# Altium PCB 驱动板.PcbDoc
Units mil, origin at the board's own origin, x right, y up, seen from the top; angles counter-clockwise.
Board outline 2845 x 1430 mil, 2 copper layers (Top Layer, Bottom Layer); 33 components, 32 nets, 104 pads, 140 vias.
Unrouted connection lines stored in the file: 4.
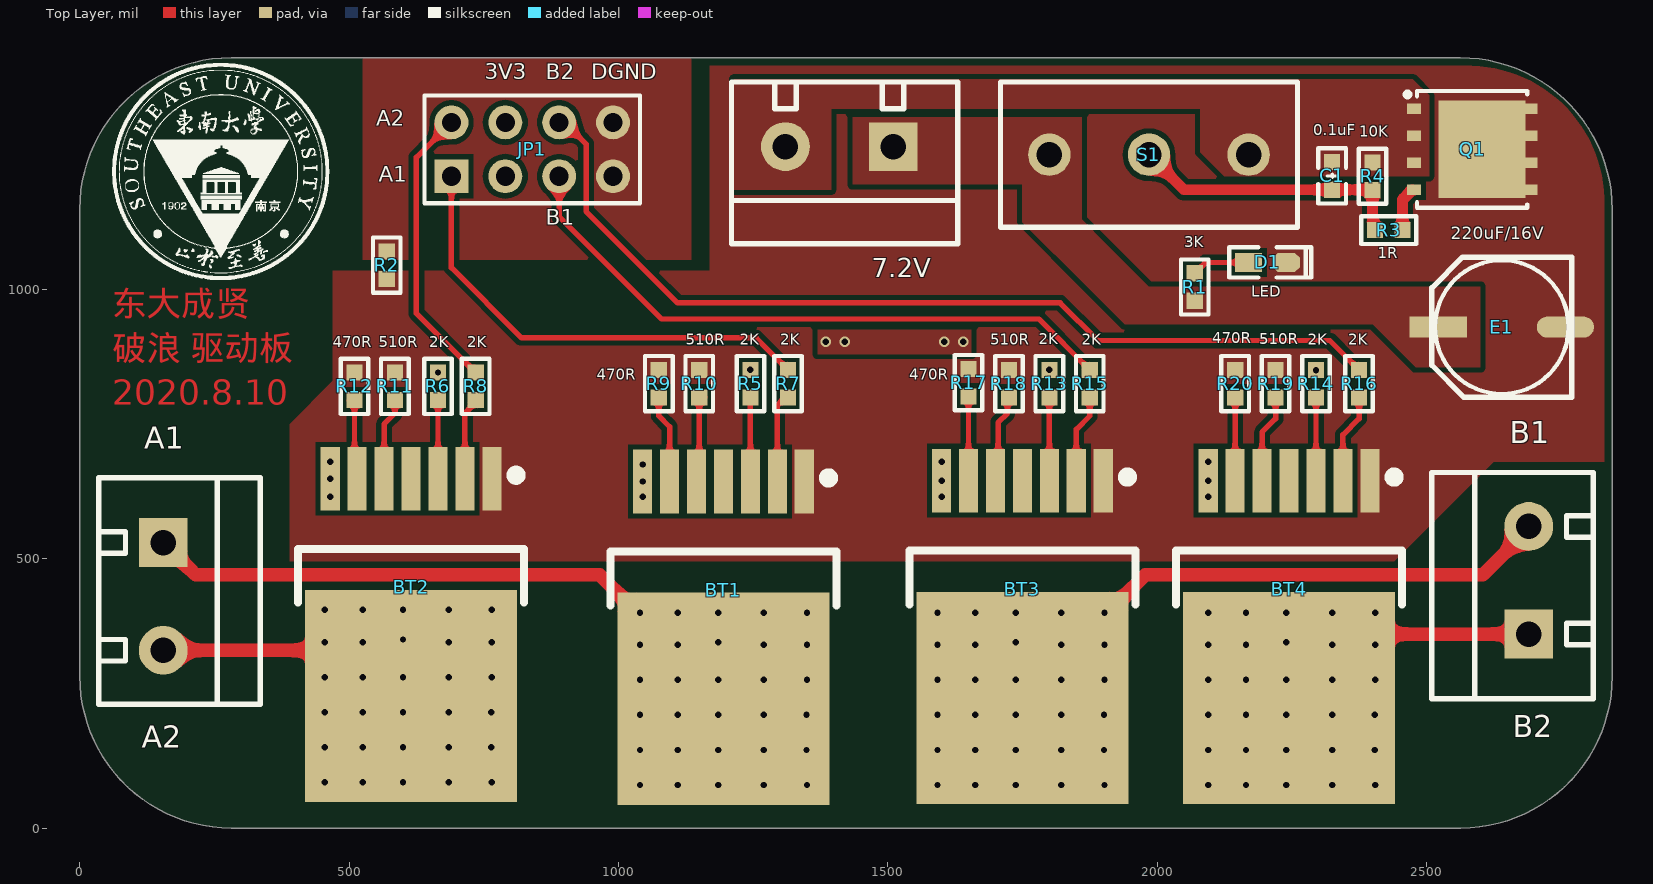
[diagram p0: Top Layer view]
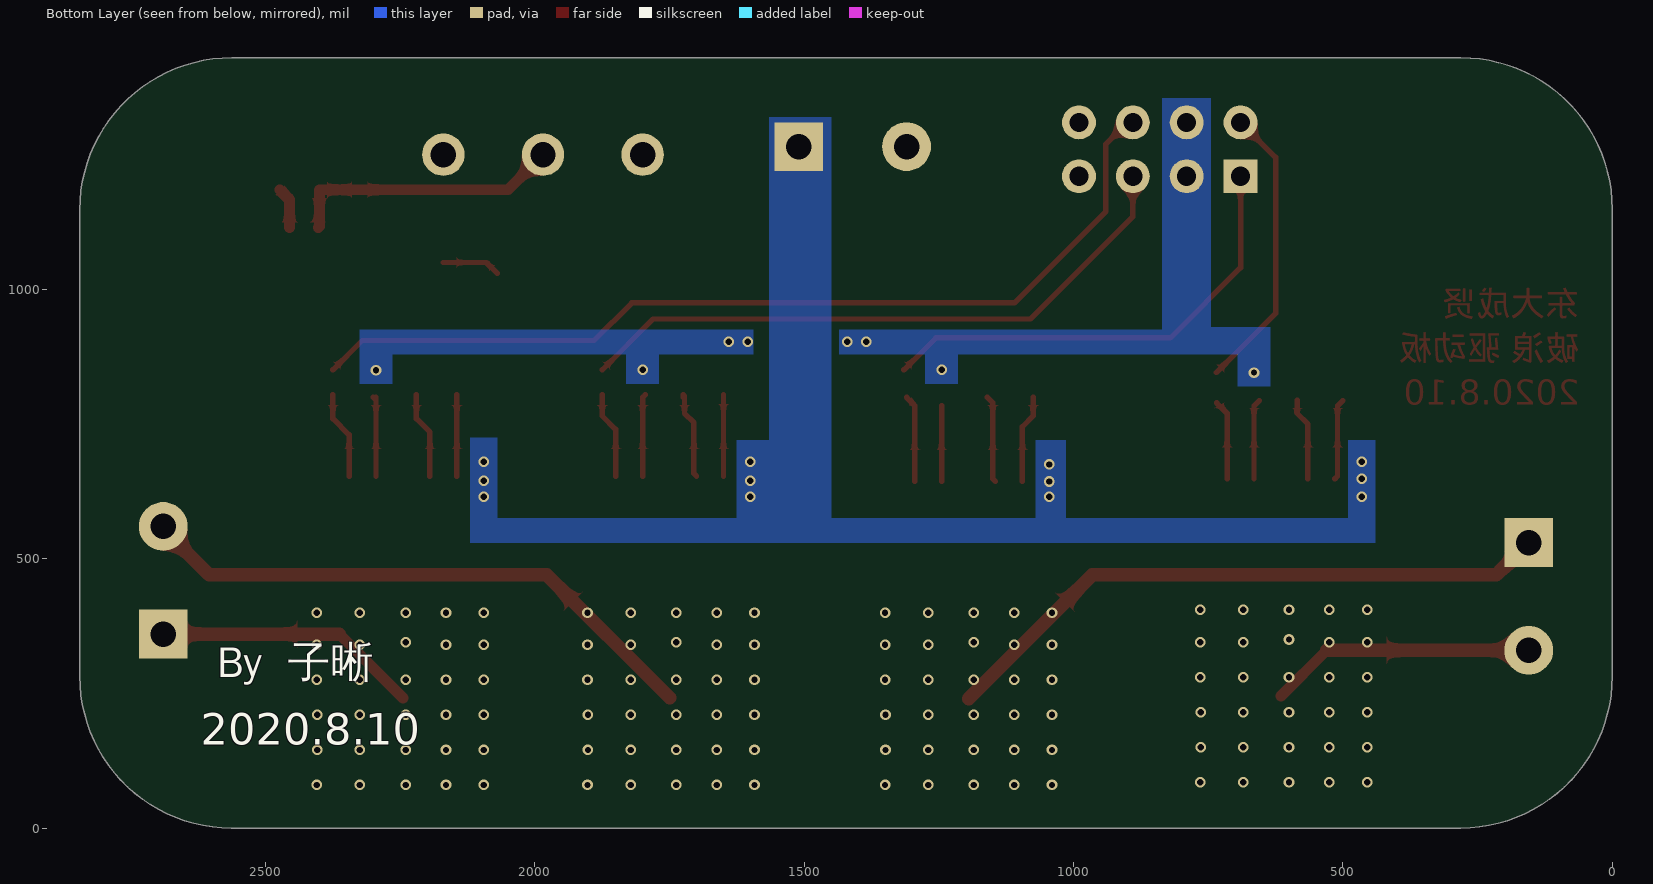
[diagram p1: Bottom Layer view, seen from below]

## Layer stack, top to bottom
Top Solder: solder mask 0.4, Solder Resist, Dk 3.5
Top Layer: signal copper 1.4
Dielectric 1: dielectric 12.6, FR-4, Dk 4.8
Bottom Layer: signal copper 1.4
Bottom Solder: solder mask 0.4, Solder Resist, Dk 3.5

## Board outline
0,281.62 0,1149.17 cw(c280.83,1149.17) 280.83,1430 2562.53,1430 cw(c2562.53,1147.53) 2845,1147.53 2845,281.62 cw(c2563.38,281.62) 2563.38,0 281.62,0 cw(c281.62,281.62)

## Design rules (kind name [scope] priority, off if disabled: settings)
Clearance [All] p1: gap=10 ignorepadtopadclearanceinfootprint=FALSE except(0: Arc-Hole Track-Hole SMDPad-Hole THPad-Hole Via-Hole Fill-Hole Poly-Hole Region-Hole Text-Hole)
PlaneConnect [All] p1: planeconnectstyle=Direct reliefexpansion=20 reliefentries=4 reliefconductorwidth=10 reliefairgap=10
PolygonConnect [All] p1: connectstyle=Direct reliefconductorwidth=10 reliefentries=4 polygonreliefangle="90 Angle" airgapwidth=10
RoutingVias [All] p1: holewidth=13.78 width=19.68 viastyle="Through Hole" minholewidth=9.84 minwidth=11.81 maxholewidth=17.72 maxwidth=15.75
SilkToSilkClearance [All] p1: silktosilkclearance=0
SilkToSolderMaskClearance [IsPad] p1: minsilkscreentomaskgap=0 clearancetoexposedcopper=TRUE
SolderMaskExpansion [All] p1: expansion=4
Width [All] p1: maxlimit=25 minlimit=8 preferedwidth=10
27 further rules are at their usual default settings.

## Classes and differential pairs
component class 驱动开关: 7.2V BT1 BT2 BT3 BT4 C1 D1 E1 JP1 Q1 R1 R2 R3 R4 R5 R6 R7 R8 R9 R10 R11 R12 R13 R14 R15 R16 R17 R18 R19 R20 S1

## Components (designator, comment, footprint, x,y, rotation, side; value= is the part's Value field where it differs from the comment)
7.2V "HDR-1X2" KF301-5.0-2P 1310.04,1265 r180 top (schematic designator 12V)
BT1 "BT7971" TO263-7A 1195,230 r180 top
BT2 "BT7971" TO263-7A 615,235 r180 top
BT3 "BT7971" TO263-7A 1750,231.61 r180 top
BT4 "BT7971" TO263-7A 2245,231.61 r180 top
C1 "0.1uF" "C 0603_L" 2325,1210.59 r270 top
D1 "LED" "LED 0603B" 2205,1049.74 r0 top
E1 "220uF/16V" "CM D(6.3*7.7)" 2640,930 r180 top
JP1 "Header 4X2" HDR2.54-LI-2x4P 840,1260 r0 top
Motor_A "HDR-1X2" KF301-5.0-2P 155,330 r270 top
Motor_B "HDR-1X2" KF301-5.0-2P 2690,560 r90 top
Q1 "AON6242" AON6242 2585.04,1260 r0 top
R1 "3K" "R 0603_L" 2070,1004.41 r270 top
R2 "0R" "R 0603_L" 570,1045 r90 top
R3 "1R" "R 0603_L" 2430,1110 r0 top
R4 "10K" "R 0603_L" 2400,1210 r270 top
R5 "2K" "R 0603_L" 1245,825 r270 top
R6 "2K" "R 0603_L" 665,820 r270 top
R7 "2K" "R 0603_L" 1315,825 r270 top
R8 "2K" "R 0603_L" 735,820 r270 top
R9 "470R" "R 0603_L" 1075,825 r270 top
R10 "510R" "R 0603_L" 1150,825 r270 top
R11 "510R" "R 0603_L" 585,820 r90 top
R12 "470R" "R 0603_L" 510,820 r90 top
R13 "2K" "R 0603_L" 1800,825 r270 top
R14 "2K" "R 0603_L" 2295,825 r270 top
R15 "2K" "R 0603_L" 1875,825 r270 top
R16 "2K" "R 0603_L" 2375,825 r270 top
R17 "470R" "R 0603_L" 1650,826.91 r270 top
R18 "510R" "R 0603_L" 1725,825 r270 top
R19 "510R" "R 0603_L" 2220,825 r90 top
R20 "470R" "R 0603_L" 2145,825 r90 top
S1 "SS12D10" SS-12D10 1985,1250 r180 top

## Footprints (in the part's own frame and the unit in brackets; to place one, negate y for a bottom-side part, rotate by r counter-clockwise, add the part's x,y. Pads: shape width x height; smd on the part's side, far side on the other; paste and mask are expansions set on the pad)
AON6242 [mm]
  rect 0.65x0.5 smd: 1(-2.75,-1.905) 3(-2.75,-0.635) 3(-2.75,0.635) 3(-2.75,1.905)
  rect 4.12x4.6 smd: 2(0.46,0)
  rect 0.55x0.5 smd: 2(2.795,-1.905) 2(2.795,-0.635) 2(2.795,0.635) 2(2.795,1.905)
  silkscreen extent -3.13,-2.75 2.6,2.75
"C 0603_L" [mil] "无极性贴片电容                                       淘宝ID:黄晶宝石"
  rect 30x30 smd: 1(-25.59,0) 2(25.59,0)
  silkscreen extent -51,-26 51,26, body extent -31,-16 31,16, height 32
"CM D(6.3*7.7)" [mm] "贴片电解电容，直径6.3mm，高7.7mm         淘宝ID:黄晶宝石"
  rect 2.7x1 smd: 1(3,0)
  oval 2.7x1 smd: 2(-3,0)
  silkscreen extent -3.3,-3.3 3.3,3.3, body extent -3.5,-3.3 3.5,3.3, height 7.7
HDR2.54-LI-2x4P [mm] "双排排针，4x2脚 淘宝ID:黄晶宝石   店铺网址:https://shop463601444.taobao.com"
  rect 1.6x1.6 hole 0.9: 1(-3.81,-1.27)
  round 1.6 hole 0.9: 2(-3.81,1.27) 3(-1.27,-1.27) 4(-1.27,1.27) 5(1.27,-1.27) 6(1.27,1.27) 7(3.81,-1.27) 8(3.81,1.27)
  silkscreen extent -5.08,-2.54 5.08,2.54, body extent -5.08,-2.54 5.08,2.54, height 8.5
KF301-5.0-2P [mm] "可拼接端子/6A"
  rect 2.3x2.3 hole 1.2: 1(-5.08,0)
  round 2.3 hole 1.2: 2(0,0)
  silkscreen extent -8.13,-3.05 2.54,4.57, body extent -7.95,-3 2.55,4.6, height 10.05
"LED 0603B" [mil] "蓝色0603LED                             淘宝ID:黄晶宝石"
  rect 50x35 smd: 1(-35,0.26)
  oct 50x35 smd: 2(35,0.26)
  silkscreen extent -71,-28 81,28, body extent -31,-16 32,16, height 24
"R 0603_L" [mil] "1/10W贴片电阻                 淘宝ID:黄晶宝石"
  rect 30x30 smd: 1(-25.59,0) 2(25.59,0)
  silkscreen extent -51,-26 51,26, body extent -31,-16 32,16, height 16
SS-12D10 [mm] "脚距3mm      淘宝ID:黄晶宝石"
  round 2 hole 1.2: 1(-4.7,0) 2(0,0) 3(4.7,0)
  silkscreen extent -7,-3.43 7,3.43, body extent -7,-3.1 7,3.1, height 9.65
TO263-7A [mm] "263，7脚晶体管    封装库来自淘宝卖家 ID：黄晶宝石"
  rect 0.9x3 smd: 1(-3.81,-10.5) 2(-2.54,-10.5) 3(-1.27,-10.5) 4(0,-10.5) 5(1.27,-10.5) 6(2.54,-10.5) 7(3.81,-10.5)
  rect 10x10 smd: 4(0,-0.254)
  silkscreen extent -5.33,-10.87 5.33,-4.66, body extent -5,-10.51 5,2.82, height 4.4

## Part data
7.2V Motor_A Motor_B: library part "Header 2", "2P接插件"
BT1 BT2 BT3 BT4: library part BTN7971
C1: library part C, "贴片电容"
D1: "发光二极管"
E1: library part CE_SMD, "贴片电解电容"
JP1: "4*2P接插件"
Q1: library part IRF3710, "N沟场效应管"
R1 R2 R3 R4 R5 R6 R7 R8 R9 R10 R11 R12 R13 R14 R15 R16 R17 R18 R19 R20: library part R, "贴片电阻"
S1: library part MTS-10x, "MTS10x系列3脚扭子开关"

## Via types
v1: diameter 19.68, hole 11.81, Top Layer to Bottom Layer, 140 vias

## Nets (pads, with @x,y where several pads share a name; then routed paths per layer and width w, separated by ;. In a path a pad name is that pad's centre, name@x,y a point inside that pad or via, vN(x,y) a via of type N, cw(c..) or ccw(c..) an arc to the next point about the centre after c; other vN are vias at no path point)
DGND: JP1.7 JP1.8 R2.2
Motor_A1: BT1.4 Motor_A.1 | length 1160.1
  Top Layer w25: Motor_A.1 215,470 965,470 BT1.4@1195,240
  other v1: 1040,80 1110,80 1185,80 1270,80 1350,80 1040,145 1110,145 1185,145 1270,145 1349.21,145 1040,210 1110,210 1185,210 1270,210 1349.21,210 1040,275 1110,275 1185,275 1270,275 1350,275 1040,340 1110,340 1270,340 1350,340 1185,345 1040,400 1110,400 1185,400 1270,400 1350,400
Motor_A2: BT2.4 Motor_A.2 | length 495.2
  Top Layer w20: BT2.4@530,330 BT2.4@615,245
  Top Layer w25: Motor_A.2 BT2.4@530,330
  other v1: 455.03,85 525.03,85 600.03,85 685.03,85 765.03,85 455.03,150 525.03,150 600.03,150 685.03,150 764.24,150 455.03,215 525.03,215 600.03,215 685.03,215 764.24,215 455.03,280 525.03,280 600.03,280 685.03,280 765.03,280 455.03,345 525.03,345 685.03,345 765.03,345 600.03,350 455.03,405 525.03,405 600.03,405 685.03,405 765.03,405
Motor_B1: BT3.4 Motor_B.2 | length 1074.8
  Top Layer w20: Motor_B.2@2690,555 Motor_B.2
  Top Layer w25: BT3.4@1750,241.61 1978.39,470 2605,470 Motor_B.2@2690,555
  other v1: 1592.37,80 1662.37,80 1737.37,80 1822.37,80 1902.37,80 1592.37,145 1662.37,145 1737.37,145 1822.37,145 1901.57,145 1592.37,210 1662.37,210 1737.37,210 1822.37,210 1901.57,210 1592.37,275 1662.37,275 1737.37,275 1822.37,275 1902.37,275 1592.37,340 1662.37,340 1822.37,340 1902.37,340 1737.37,345 1592.37,400 1662.37,400 1737.37,400 1822.37,400 1902.37,400
Motor_B2: BT4.4 Motor_B.1 | length 494
  Top Layer w20: BT4.4@2245,241.61 BT4.4@2363.39,360
  Top Layer w25: BT4.4@2363.39,360 Motor_B.1
  other v1: 2095,80 2165,80 2240,80 2325,80 2405,80 2095,145 2165,145 2240,145 2325,145 2404.21,145 2095,210 2165,210 2240,210 2325,210 2404.21,210 2095,275 2165,275 2240,275 2325,275 2405,275 2095,340 2165,340 2325,340 2405,340 2240,345 2095,400 2165,400 2240,400 2325,400 2405,400
NetBT1_2: BT1.2 R7.2 | length 162.2
  Top Layer w10: BT1.2 1295,784.42 R7.2@1310,799.41
NetBT1_3: BT1.3 R5.2 | length 141
  Top Layer w10: BT1.3 1245,760 1245,784.41
NetBT1_5: BT1.5 R10.2 | length 162.2
  Top Layer w10: BT1.5 1150,648.38 1150,789.41 R10.2@1160,799.41
NetBT1_6: BT1.6 R9.2 | length 164.3
  Top Layer w10: R9.2 1075,765 1095,745 BT1.6
NetBT2_2: BT2.2 R8.2 | length 149.1
  Top Layer w10: BT2.2 715,770 R8.2@734.41,789.41
NetBT2_3: BT2.3 R6.2 | length 149.6
  Top Layer w10: R6.2@655,793.82 665,783.82 BT2.3
NetBT2_5: BT2.5 R11.1 | length 154.3
  Top Layer w10: BT2.5 565,750 585,770 R11.1
NetBT2_6: BT2.6 R12.1 | length 151.6
  Top Layer w10: R12.1@500,793.82 510,783.82 510,653.39 BT2.6
NetBT3_2: BT3.2 R15.2 | length 161.4
  Top Layer w10: BT3.2@1850,653.39 1850,740 1875,765 R15.2@1875,804.41
NetBT3_3: BT3.3 R13.2 | length 153.1
  Top Layer w10: R13.2@1795,804.41 R13.2 BT3.3@1800,653.39
NetBT3_5: BT3.5 R18.2 | length 161.4
  Top Layer w10: BT3.5@1700,653.39 1705,658.38 1705,752.72 1722.28,770 1722.28,801.7 R18.2@1725,804.41
NetBT3_6: BT3.6 R17.2 | length 151
  Top Layer w10: BT3.6@1650,653.39 R17.2@1650,804.41
NetBT4_2: BT4.2 R16.2 | length 163.5
  Top Layer w10: BT4.2@2345,653.39 2345,730 2375,760 R16.2@2375,804.41
NetBT4_3: BT4.3 R14.2 | length 153.1
  Top Layer w10: BT4.3@2295,653.39 R14.2 ; R14.2@2295,794.42 R14.2@2300,799.41
NetBT4_5: BT4.5 R19.1 | length 161.4
  Top Layer w10: BT4.5@2195,653.39 2195,735 2220,760 R19.1@2220,804.4
NetBT4_6: BT4.6 R20.1 | length 151
  Top Layer w10: BT4.6@2145,653.39 R20.1@2145,804.4
NetC1_2: C1.2 R3.1 R4.2 S1.2 | length 512.5
  Top Layer w10: R4.2@2399.41,1185 R4.2
  Top Layer w20: S1.2 2050,1185 C1.2 R4.2@2399.41,1185 ; R4.2 2400,1117.2 R3.1@2402.2,1115
NetD1_1: D1.1 R1.1 | length 108.3
  Top Layer w10: R1.1 2090,1050 D1.1
NetQ1_1: Q1.1 R3.2 | length 80.5
  Top Layer w10: Q1.1@2473.82,1185 Q1.1
  Top Layer w20: R3.2@2455.59,1115 2455.59,1166.77 Q1.1@2473.82,1185
P3V3: JP1.3 JP1.4 R5.1 R6.1 R13.1 R14.1
  other v1: 665,845.59 2295,850 1245,850.59 1800,850.59 1385,902.5 1420,902.5 1605,902.5 1640,902.5
P12V: 7.2V.1 BT1.7 BT2.7 BT3.7 BT4.7 E1.1 R1.2 S1.3
  other v1: 465,615 1045,615 1600,615 2095,615 1045,643.39 1600,645 2095,645 465,648.39 1045,675 465,680 1600,680 2095,680
PGND: BT1.1 BT2.1 BT3.1 BT4.1 D1.2 E1.2 Q1.2 R2.1 R9.1 R10.1 R11.2 R12.2 R17.1 R18.1 R19.2 R20.2
PGND_input: 7.2V.2 C1.1 Q1.3 R4.1 S1.1
PWM_A1: JP1.1 R7.1 | length 863.2
  Top Layer w10: JP1.1@690,1200 690,1040.43 820.43,910 1255.59,910 R7.1
PWM_A2: JP1.2 R8.1 | length 536.9
  Top Layer w10: JP1.2 625,1245 625,955.59 R8.1
PWM_B1: JP1.5 R15.1 | length 1167.8
  Top Layer w10: JP1.5@890,1200 890,1135 1080,945 1780.59,945 R15.1
PWM_B2: JP1.6 R16.1 | length 1748.5
  Top Layer w10: JP1.6 900,1310 940,1270 940,1145 1110,975 1820,975 1890,905 2320.59,905 R16.1

## Polygon pours and split planes (outlines as drawn)
PGND on Top Layer "Top Layer-PGND" (solid, remove dead copper, pour order 28): 470,1035 1170,1035 1170,1415 2577.53,1415 cw(c2577.53,1162.53) 2830,1162.53 2830,680 2625,680 2440,495 390,495 390,750 470,830
DGND on Top Layer "Top Layer-DGND" (solid, remove dead copper, pour order 26): 525,1430 525,1055 1135,1055 1135,1430
no net on Top Layer "Top Layer-No Net" (solid, remove dead copper, pour order 24): 455,1455
P12V on Top Layer "Top Layer-P12V" (solid, remove dead copper, pour order 22): 1750,1200 1750,1125 1870,1005 1940,935 2400,935 2480,855 2600,855 2600,1005 1985,1005 1905,1085 1860,1130 1860,1200
P3V3 on Top Layer "Top Layer-P3V3" (solid, remove dead copper, pour order 18): 1370,925 1655,925 1655,880 1370,880
no net on Top Layer "Top Layer-No Net 1" (solid, remove dead copper, pour order 14): 780,1350
PGND_input on Top Layer "Top Layer-PGND_input" (solid, remove dead copper, pour order 4): 1215,1185 1395,1185 1395,1335 2080,1335 2080,1255 2125,1210 2375,1210 2505,1210 2505,1360 2475,1390 1215,1390
P12V on Top Layer "Top Layer-P12V 1" (solid, remove dead copper, pour order 2): 1435,1320 1860,1320 1860,1195 1435,1195
P3V3 on Bottom Layer "Bottom Layer-P3V3" (solid, remove dead copper, pour order 20): 1595,925 2325,925 2325,825 2265,825 2265,880 1830,880 1830,825 1770,825 1770,880 1595,880
P3V3 on Bottom Layer "Bottom Layer-P3V3 1" (solid, remove dead copper, pour order 16): 745,1355 745,930 635,930 635,820 695,820 695,880 1215,880 1215,825 1275,825 1275,880 1435,880 1435,925 835,925 835,1355
no net on Bottom Layer "Bottom Layer-No Net" (solid, remove dead copper, pour order 12): 785,1355
P12V on Bottom Layer "Bottom Layer-P12V" (solid, remove dead copper, pour order 10): 1450,1320 1450,575 1070,575 1070,720 1015,720 1015,575 490,575 490,720 440,720 440,530 2120,530 2120,725 2070,725 2070,575 1625,575 1625,720 1565,720 1565,1320

## Other copper
Top Layer:
  text "东大成贤" at 60,935 h80
  text "破浪 驱动板" at 60,852.5 h80
  text "2020.8.10" at 60,770 h80

## Silkscreen, mask and mechanical layers (free items; w line width, h text height)
Top Overlay:
  drawing of 67 lines, arcs and shapes, not listed
  text "3V3" at 751.58,1380 h50
  text "DGND" at 950,1380 h50
  text "B1" at 2655,700 h70
  text "A1" at 120,690 h70
  text "B2" at 2660,155 h70
  text "A2" at 115,135 h70
Bottom Overlay:
  text "By  子晰" at 2590,260 h100
  text "2020.8.10" at 2620,135 h100
Mechanical 1:
  the board outline again, w10

## Text inside footprints (layer, text, board x,y; h text height)
JP1: Top Overlay "B1" at 865,1110 h50; Top Overlay "A2" at 550,1293.29 h50; Top Overlay "A1" at 555,1190 h50; Top Overlay "B2" at 865,1380 h50